# Altium PCB PCB_1313.PcbDoc (part 1 of 2) (continued)
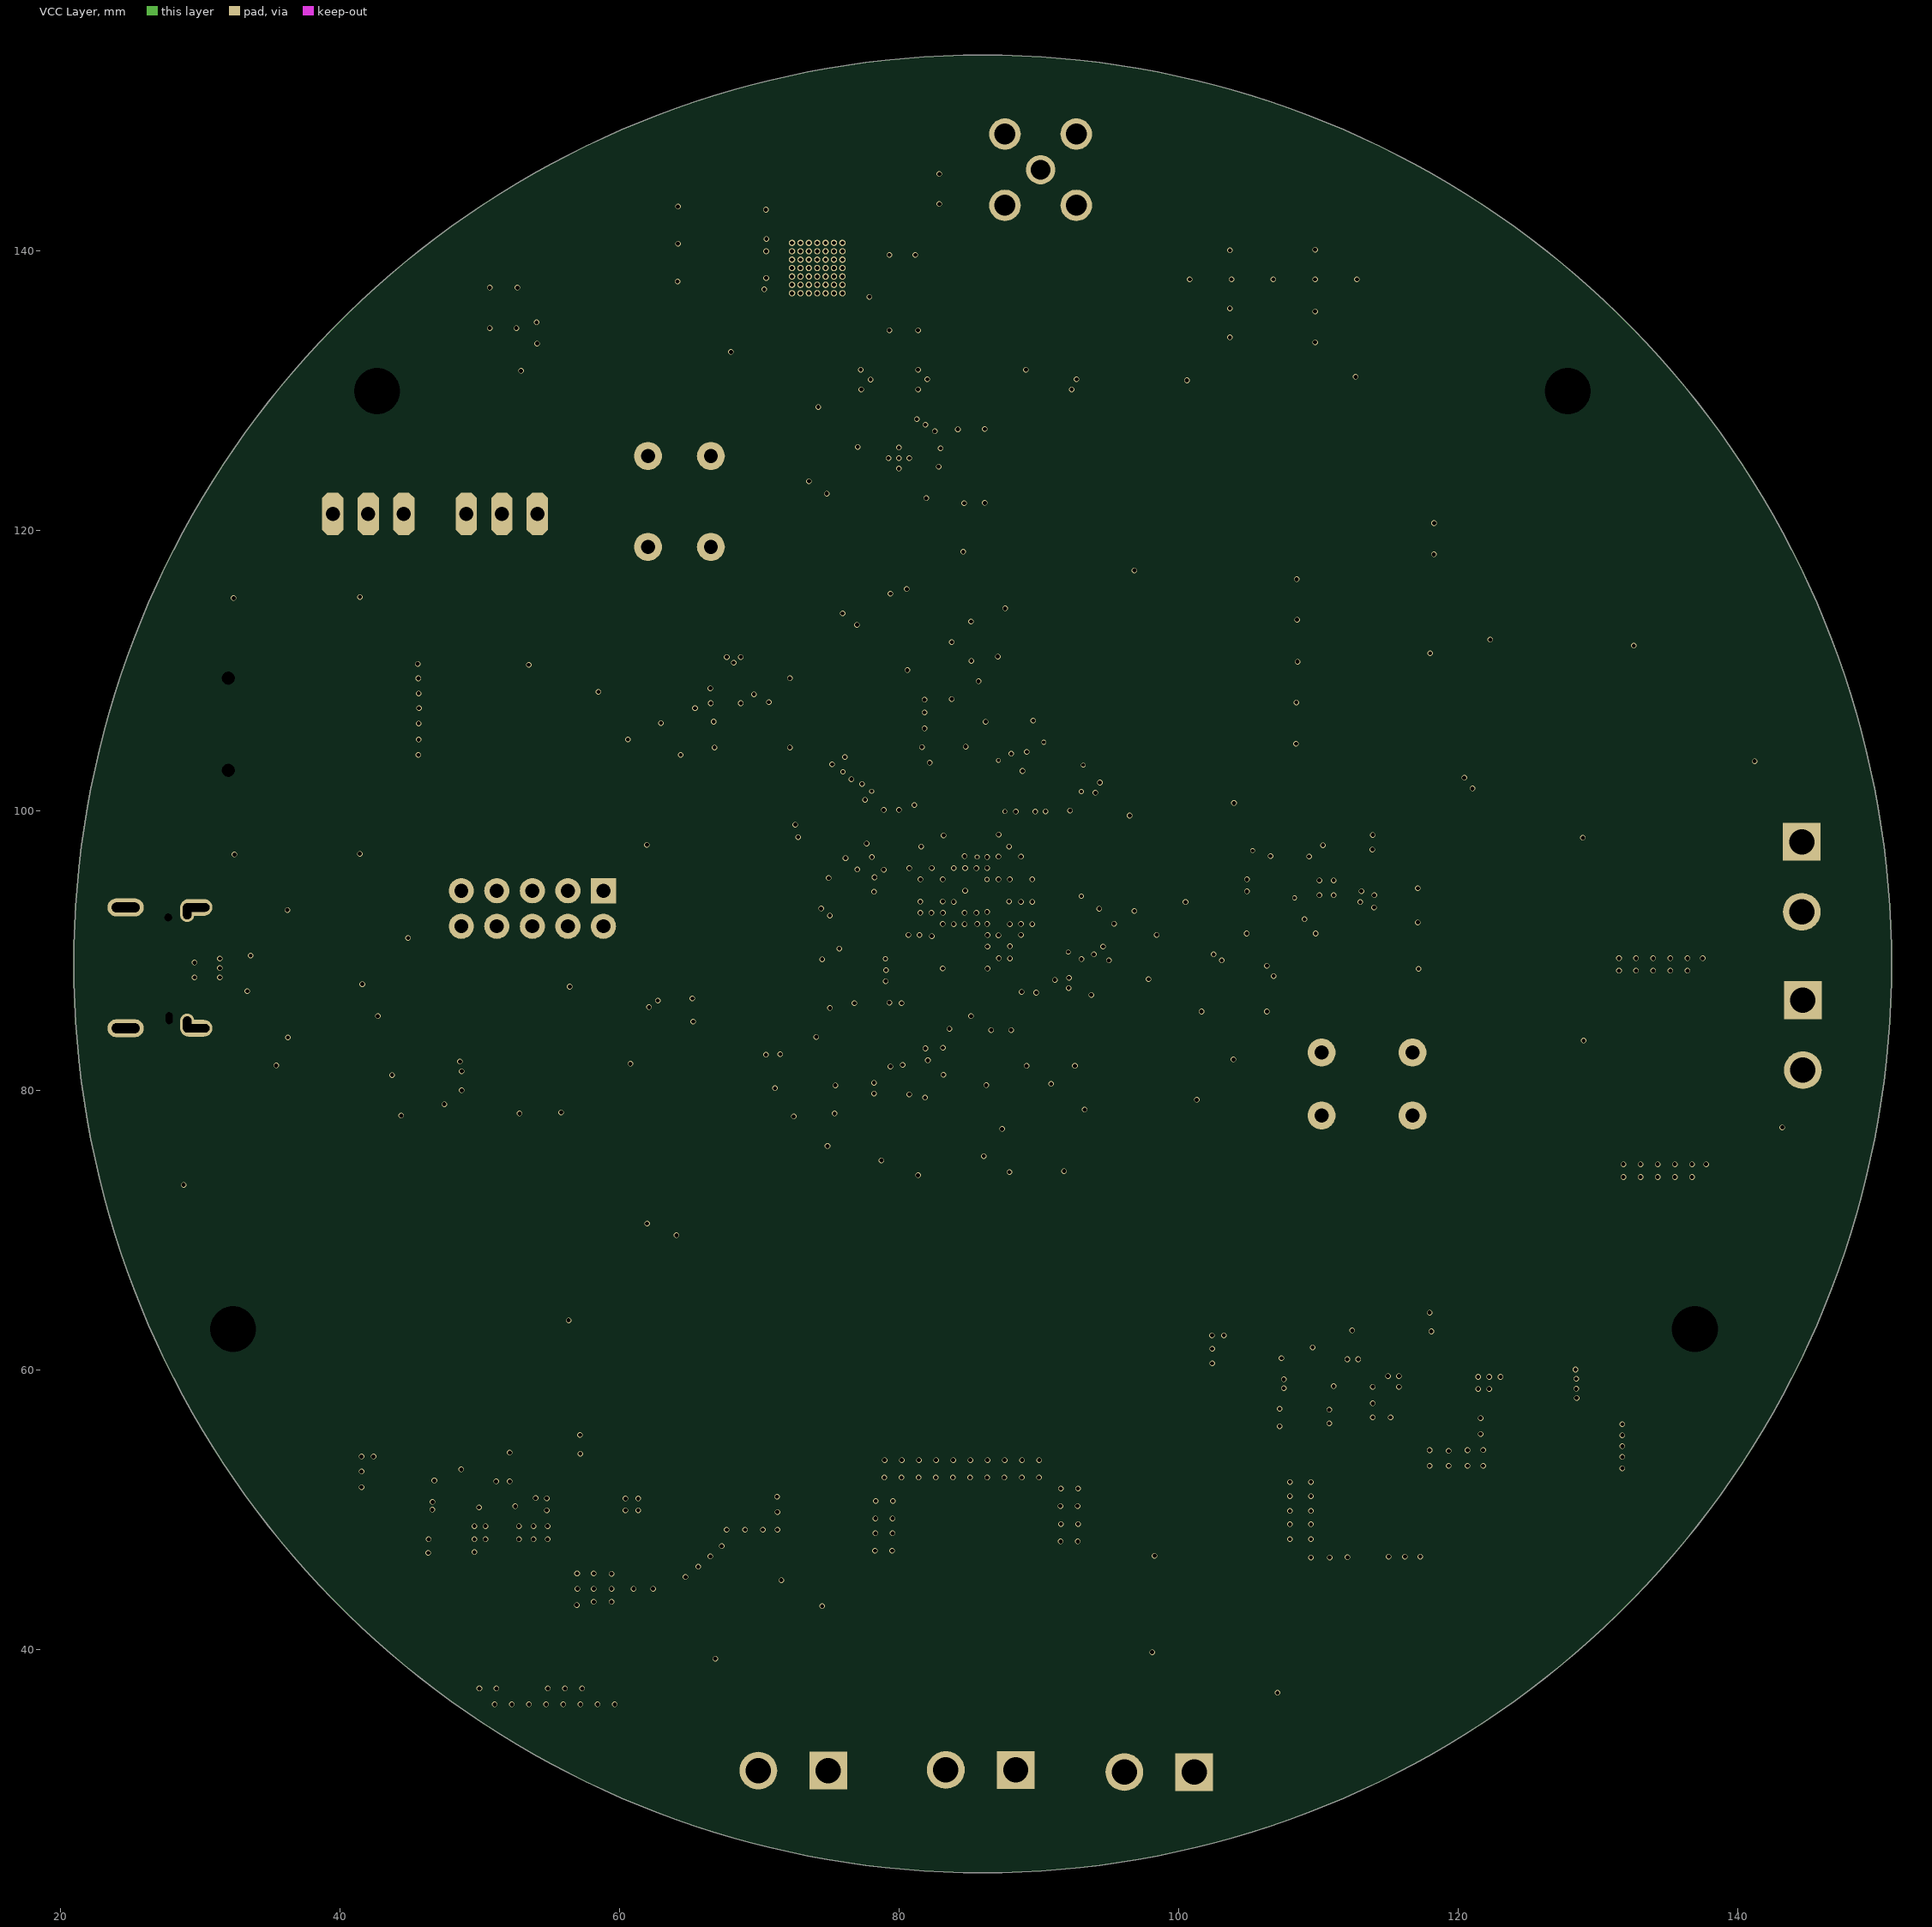
[diagram p3: VCC Layer]
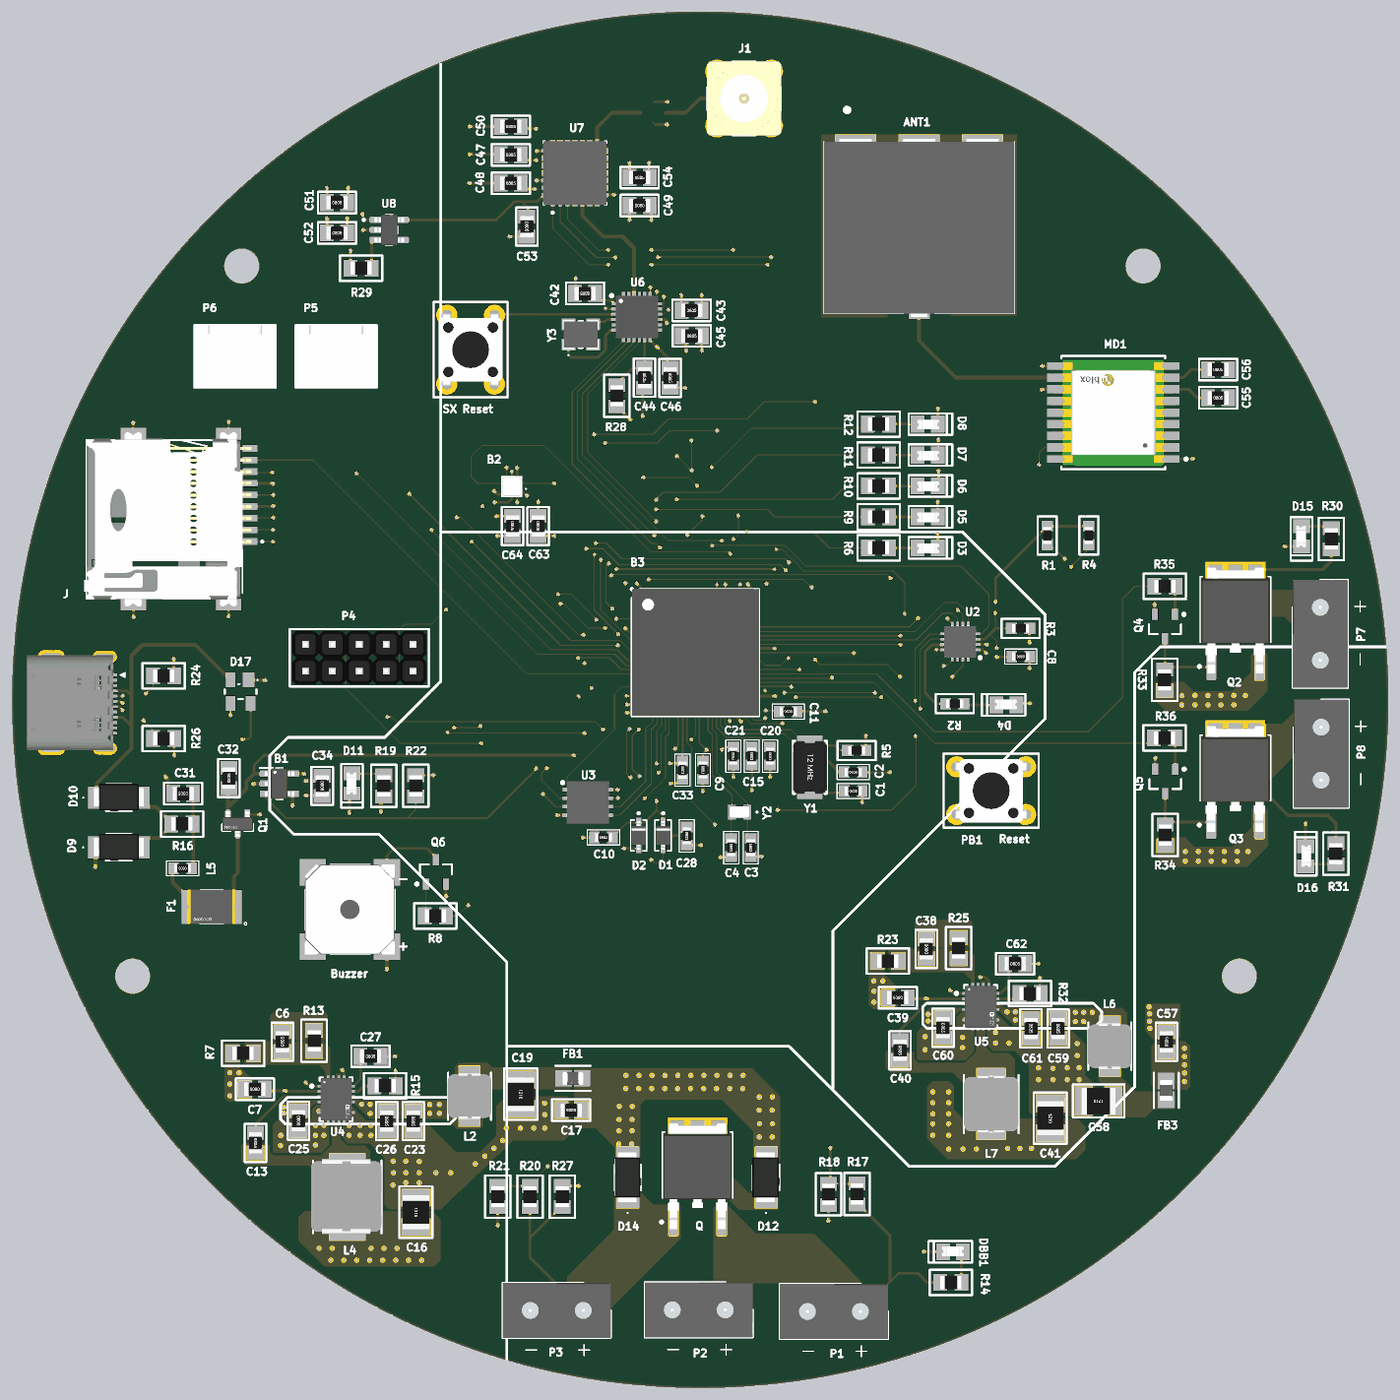
[diagram p5: 3D render of the assembled board from above, using the file's embedded part models]
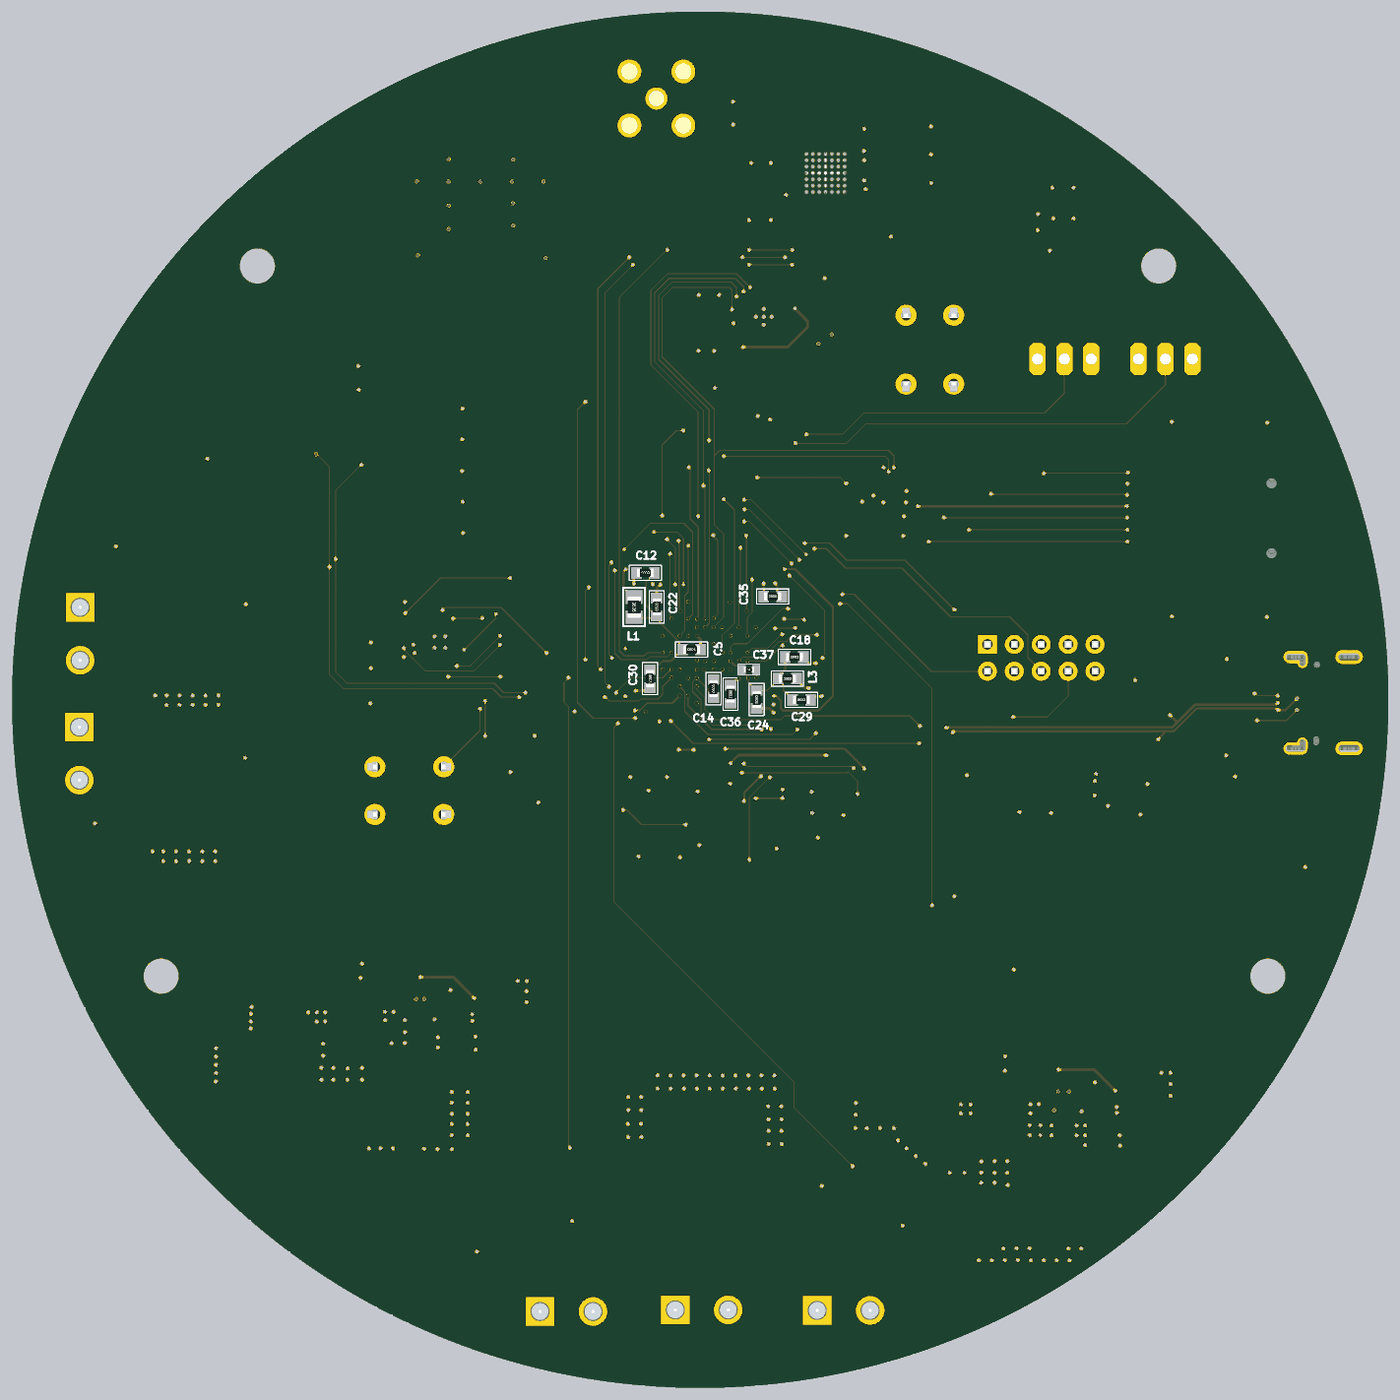
[diagram p6: 3D render of the assembled board from below, using the file's embedded part models]

## Layer stack, top to bottom
Top Solder: solder mask 0.0102, Solder Resist, Dk 3.5
Top Layer: signal copper 0.035
Dielectric 2: prepreg 0.2104, PP-006, Dk 4.1
Ground Layer: signal copper 0.0152
Core: core 1.065, Core, Dk 4.1
VCC Layer: signal copper 0.0152
Dielectric 5: prepreg 0.2104, PP-006, Dk 4.1
Bottom Layer: signal copper 0.035
Bottom Solder: solder mask 0.0102, Solder Resist, Dk 3.5

## Board outline
85.979,24.027 cw(c85.979,89.027) 20.979,89.027 cw(c85.979,89.027) 85.979,154.027 cw(c85.979,89.027) 150.979,89.027 cw(c85.979,89.027)

## Design rules (kind name [scope] priority, off if disabled: settings)
Clearance [All] p1 off: gap=0.1 ignorepadtopadclearanceinfootprint=TRUE except(0: Arc-Hole Track-Hole SMDPad-Hole THPad-Hole Via-Hole Fill-Hole Poly-Hole Region-Hole Text-Hole; 0.127: SMDPad-SMDPad; 0.18: Arc-SMDPad Track-SMDPad; 0.2: Arc-THPad Arc-Text Track-THPad Track-Text SMDPad-Via SMDPad-Text THPad-THPad THPad-Via THPad-Text Via-Via Via-Text Fill-Text Poly-Text Region-Text Text-Text; 0.254: Arc-Via Track-Via; 0.5: SMDPad-THPad)
DiffPairsRouting [All] p1: maxlimit=0.127 minlimit=0.127 mostfreqgap=0.127 toplayer_minwidth=0.222 toplayer_maxwidth=0.222 toplayer_prefwidth=0.222 midlayer1_minwidth=0.15 midlayer1_maxwidth=0.15 midlayer1_prefwidth=0.15 midlayer2_minwidth=0.15 midlayer2_maxwidth=0.15 midlayer2_prefwidth=0.15 bottomlayer_minwidth=0.222 bottomlayer_maxwidth=0.222 bottomlayer_prefwidth=0.222 impedanceprofiledriven=TRUE impedanceprofileid={A4B78866-B0F9-472C-93FB-F8E324BEF4EB} impedanceprofilevalue=90.000000 maxuncoupledlength=12.7
PolygonConnect [All] p1: connectstyle=Direct reliefconductorwidth=0.254 reliefentries=4 polygonreliefangle="90 Angle" airgapwidth=0.254
RoutingVias [All] p1: holewidth=0.3 width=0.4 viastyle="Through Hole" minholewidth=0 minwidth=0 maxholewidth=0.3 maxwidth=0.4
SolderMaskExpansion [All] p1: expansion=0.05 istentingtop=FALSE
Width [All] p1: maxlimit=0.65 minlimit=0.1 preferedwidth=0.254
29 further rules are at their usual default settings.

## Classes and differential pairs
component class RF: 32 C42 C43 C44 C45 C46 C47 C48 C49 C50 C51 C52 C53 C54 FL1 J1 PB2 R28 R29 U6 U7 U8 Y3
component class Recovery: D15 D16 P P7 P8 Q2 Q3 Q4 Q5 R30 R31 R33 R34 R35 R36
component class PMU: 3 B1 C6 C7 C13 C16 C17 C19 C23 C25 C26 C27 C31 C32 C33 C34 C35 C36 C37 C38 C39 C40 C41 C57 C58 C59 C60 C61 C62 CN1 D9 D10 D11 D12 D14 D17 DBB1 F1 FB1 FB3 L2 L4 L5 L6 L7 P1 P2 P3 Q Q1 R7 R13 R14 R15 R16 R17 R18 R19 R20 R21 R22 R23 R24 R25 R26 R27 R32 U4 U5
component class Modulos: ANT1 B2 C55 C56 C63 C64 J J2 MD1 P P4 P5 P6
component class CPU: B3 Buzzer C1 C2 C3 C4 C5 C8 C9 C10 C11 C12 C14 C15 C18 C20 C21 C22 C24 C28 C29 C30 D1 D2 D3 D4 D5 D6 D7 D8 L1 L3 PB1 Q6 R1 R2 R3 R4 R5 R6 R8 R9 R10 R11 R12 U2 U3 Y1 Y2

## Components (designator, comment, footprint, x,y, rotation, side; value= is the part's Value field where it differs from the comment)
ANT1 "DSGP.1575.18.2.A.02" DSGP1575182A02 106.655,134.493 r0 top
B1 "TLV75733PDBVR" SOT95P280X145-5N 46.228,81.102 r0 top
B2 "BMP390" BMP390 68.174,109.195 r270 top
B3 "MIMXRT1062DVJ6B" BGA196C80P14X14_1200X1200X152 85.522,93.478 r0 top
Buzzer "Alarm" CMT-8504-100-SMT-TR-Footprint-1 52.883,69.215 r180 top (schematic designator A)
C1 "Cap ceramic" MY_0603 100.432,80.402 r0 top value=12pF
C2 "Cap ceramic" MY_0603 100.432,82.192 r0 top value=12pF
C3 "Cap ceramic" MY_0603 90.742,75.057 r270 top value=20pF
C4 "Cap ceramic" MY_0603 88.9,75.057 r270 top value=20pF
C5 "Cap ceramic" MY_0603 86.804,93.777 r180 bottom value=10nF
C6 "Cap ceramic" MY_0805 46.507,56.728 r90 top value=2.2uF
C7 "Cap ceramic" MY_0805 43.906,52.248 r180 top value=1uF
C8 "Cap ceramic" MY_0603 116.256,93.104 r0 top value=0.22uF
C9 "Cap ceramic" MY_0603 86.233,82.398 r270 top value=0,22uF
C10 "Cap ceramic" MY_0603 76.835,76.022 r0 top value=0.22uF
C11 "Cap ceramic" MY_0603 94.297,87.909 r0 top value=0.22uF
C12 "Cap ceramic" MY_0603 91.161,101.016 r0 bottom value=0.22uF
C13 "Cap ceramic" MY_0805 43.967,47.168 r270 top value=100nF
C14 "Cap ceramic" MY_0603 84.722,90.075 r90 bottom value=0.22uF
C15 "Cap ceramic" MY_0603 90.84,83.709 r270 top value=0.22uF
C16 "Cap ceramic" MY_1210 59.131,40.612 r270 top value=47uF
C17 "Cap ceramic" MY_0805 73.787,50.267 r180 top value=4.7uF
C18 "Cap ceramic" MY_0603 77.079,93.064 r180 bottom value=0.22uF
C19 "Cap ceramic" MY_1210 69.037,51.762 r270 top value=10uF
C20 "Cap ceramic" MY_0603 92.572,83.709 r270 top value=4.7uF
C21 "Cap ceramic" MY_0603 89.109,83.709 r270 top value=4.7uF
C22 "Cap ceramic" MY_0603 90.089,97.79 r90 bottom value=4.7uF
C23 "Cap ceramic" MY_0805 58.877,49.225 r270 top value=4.7uF
C24 "Cap ceramic" MY_0603 80.648,89.056 r270 bottom value=4.7uF
C25 "Cap ceramic" MY_0805 48.031,49.266 r270 top value=1uF
C26 "Cap ceramic" MY_0805 56.363,49.225 r270 top value=1uF
C27 "Cap ceramic" MY_0805 54.839,55.347 r0 top value=10nF
C28 "Cap ceramic" MY_0603 84.709,76.163 r270 top value=10uF
C29 "Cap ceramic" MY_0603 76.417,89.016 r180 bottom value=10uF
C30 "Cap ceramic" MY_0603 90.729,91.021 r270 bottom value=10uF
C31 "Cap ceramic" MY_0805 37.133,80.162 r180 top value=0.22uF
C32 "Cap ceramic" MY_0805 41.453,81.62 r90 top value=0.22uF
C33 "Cap ceramic" MY_0603 84.3,82.378 r270 top value=0.22uF
C34 "Cap ceramic" MY_0805 50.267,80.889 r270 top value=2.2uF
C35 "Cap ceramic" MY_0603 79.138,98.781 r0 bottom value=220nF
C36 "Cap ceramic" MY_0603 83.119,89.555 r270 bottom value=4.7uF
C37 "Cap ceramic" MY_0402 81.378,91.871 r180 bottom value=10nF
C38 "Cap ceramic" MY_0805 107.34,65.493 r90 top value=2.2uF
C39 "Cap ceramic" MY_0805 104.648,60.883 r180 top value=1uF
C40 "Cap ceramic" MY_0805 104.851,55.917 r270 top value=100nF
C41 "Cap ceramic" MY_1210 119.05,49.491 r270 top value=47uF
C42 "Cap ceramic" MY_0805 75.098,127.406 r180 top value=10nF
C43 "Cap ceramic" MY_0805 85.166,125.806 r0 top value=100nF
C44 "Cap ceramic" MY_0805 80.715,119.452 r270 top value=100nF
C45 "Cap ceramic" MY_0805 85.176,123.393 r0 top value=4.7uF
C46 "Cap ceramic" MY_0805 83.137,119.428 r270 top value=470nF
C47 "Cap ceramic" MY_0805 68.087,140.5 r0 top value=10pF
C48 "Cap ceramic" MY_0805 68.087,137.82 r0 top value=10pF
C49 "Cap ceramic" MY_0805 80.249,135.712 r180 top value=10pF
C50 "Cap ceramic" MY_0805 68.087,143.18 r0 top value=10uF
C51 "Cap ceramic" MY_0805 51.679,135.992 r0 top value=100nF
C52 "Cap ceramic" MY_0805 51.679,133.121 r0 top value=1uF
C53 "Cap ceramic" MY_0805 69.596,133.721 r270 top value=1uF
C54 "Cap ceramic" MY_0805 80.249,138.354 r0 top value=100nF
C55 "Cap ceramic" MY_0805 134.899,117.551 r0 top value=100nF
C56 "Cap ceramic" MY_0805 134.899,120.218 r0 top value=4.7uF
C57 "Cap ceramic" MY_0805 130.023,56.714 r90 top value=4.7uF
C58 "Cap ceramic" MY_1210 123.599,51.116 r180 top value=10uF
C59 "Cap ceramic" MY_0805 119.786,57.974 r270 top value=4.7uF
C60 "Cap ceramic" MY_0805 108.911,58.041 r270 top value=1uF
C61 "Cap ceramic" MY_0805 117.221,57.985 r270 top value=1uF
C62 "Cap ceramic" MY_0805 115.722,64.096 r0 top value=10nF
C63 "Cap ceramic" MY_0805 70.664,105.438 r270 top value=100nF
C64 "Cap ceramic" MY_0805 68.25,105.438 r270 top value=100nF
CN1 "DX07S024JJ3R1300" JAE-DX07S024JJ3_V 27.737,88.748 r270 top
D1 "BAT54HGW" BAT54HGW-Footprint-1 82.347,76.784 r270 top
D2 "BAT54HGW" BAT54HGW-Footprint-1 80.035,76.784 r270 top
D3 "Yellow" MY_LED_0805 107.478,103.302 r180 top
D4 "Red" MY_LED_0805 114.887,88.621 r0 top
D5 "Yellow" MY_LED_0805 107.478,106.223 r180 top
D6 "Yellow" MY_LED_0805 107.478,109.144 r180 top
D7 "Yellow" MY_LED_0805 107.478,112.065 r180 top
D8 "Yellow" MY_LED_0805 107.478,114.986 r180 top
D9 "PMEG3050EP-QX" PMEG3050EP-QX-Footprint-1 31.054,75.082 r0 top
D10 "PMEG3050EP-QX" PMEG3050EP-QX-Footprint-1 31.054,79.781 r0 top
D11 "Red" MY_LED_0805 53.008,81.143 r90 top
D12 "PMEG3050EP-QX" PMEG3050EP-QX-Footprint-1 92.202,43.907 r90 top
D14 "PMEG3050EP-QX" PMEG3050EP-QX-Footprint-1 79.121,43.907 r90 top
D15 "Red" MY_LED_0805 142.697,104.47 r90 top
D16 "Red" MY_LED_0805 143.256,74.235 r270 top
D17 "SP0503BAHTG" LFUS-SOT143-4_V 42.56,89.797 r270 top
DBB1 "Red" MY_LED_0805 109.855,36.957 r0 top
F1 "MF-MSMF050-2" FUSM4632X85 39.827,69.469 r180 top
FB1 "MPZ2012S300AT000" FP-MPZ2012-IPC_A 73.953,53.264 r180 top
FB3 "MPZ2012S300AT000" FP-MPZ2012-IPC_A 129.997,52.132 r270 top
FL1 "748323024" WE-BPF_0805 1351.528,1414.475 r0 top
J "MEM2075-00-140-01-A" MEM2075-00-140-01-A-Footprint-1 35.712,106.172 r270 top
J1 "CONREVSMA001-G" LINX_CONREVSMA001-G 90.119,145.821 r0 top
L1 "Inductor" MY_0805 92.227,97.79 r270 bottom value=4.7uH
L2 "Inductor" IHLP1616 64.186,51.582 r270 top value=220nH
L3 "Ferrite 120" MY_0603 77.749,91.021 r180 bottom
L4 "Inductor" IHLP2525 52.654,42.062 r270 top value=2.2uH
L5 "Ferrite 120" MY_0603 37.084,73.101 r180 top
L6 "Inductor" IHLP1616 124.663,56.304 r90 top value=220nH
L7 "Inductor" IHLP2020 113.462,50.837 r270 top value=1.5uH
MD1 "MAX-M10S-00B" FP-MAX-M10S-00B-MFG 124.993,116.154 r180 top
P1 "XT30" XT30UPB-M 98.577,31.344 r180 top
P2 "XT30" XT30UPB-M 85.807,31.499 r180 top
P3 "XT30" XT30UPB-M 72.4,31.448 r180 top
P4 "Header 2x5" "2x5x2.54 Pin Header TH V" 53.772,92.989 r180 top
P5 "Header 3" MY_6410-03 51.587,121.209 r0 top
P6 "Header 3" MY_6410-03 42.037,121.209 r0 top
P7 "XT30" XT30UPB-M 144.45,95.225 r270 top
P8 "XT30" XT30UPB-M 144.523,83.906 r270 top
PB1 "Botón RESET" "Tack Switch 6x6 1mm TH" 113.462,80.442 r0 top
PB2 "SX Reset" "Tack Switch 6x6 1mm TH" 64.287,122.098 r270 top
Q "TJ40S04M3L,LXHQ" TJ40S04M3L,LXHQ-Footprint-1 85.725,43.993 r0 top
Q1 "DMG2305UX-7" FP-SOT23-IPC_C 42.283,77.292 r270 top
Q2 "TJ40S04M3L,LXHQ" TJ40S04M3L,LXHQ-Footprint-1 136.531,96.466 r0 top
Q3 "TJ40S04M3L,LXHQ" TJ40S04M3L,LXHQ-Footprint-1 136.525,81.492 r0 top
Q4 "BC817K-40" INF-SOT23_N 129.87,95.936 r270 top
Q5 "BC817K-40" INF-SOT23_N 129.896,81.312 r270 top
Q6 "BC817K-40" INF-SOT23_N 61.011,72.771 r90 top
R1 "10k" R0603-0.45 118.745,104.548 r90 top
R2 "470" R0603-0.45 110.017,88.659 r180 top
R3 "100k" R0603-0.45 116.24,95.771 r0 top
R4 "10k" R0603-0.45 122.682,104.548 r90 top
R5 "2.2M" R0603-0.45 100.757,84.221 r0 top
R6 "220" R0805-0.45 102.829,103.378 r0 top
R7 "243k" R0805-0.45 42.79,55.626 r0 top
R8 "180" R0805-0.45 60.96,68.605 r180 top
R9 "220" R0805-0.45 102.829,106.299 r0 top
R10 "220" R0805-0.45 102.829,109.22 r0 top
R11 "220" R0805-0.45 102.829,112.141 r0 top
R12 "220" R0805-0.45 102.829,115.062 r0 top
R13 "1M" R0805-0.45 49.505,56.82 r270 top
R14 "1000" R0805-0.45 109.652,33.985 r0 top
R15 "18.2k" R0805-0.45 56.21,52.553 r180 top
R16 "0" R0805-0.45 37.033,77.292 r180 top
R17 "43k" R0805-0.45 100.787,42.342 r270 top
R18 "21k" R0805-0.45 98.095,42.316 r90 top
R19 "100" R0805-0.45 56.085,80.889 r270 top
R20 "43k" R0805-0.45 69.901,42.088 r270 top
R21 "21k" R0805-0.45 66.853,42.088 r90 top
R22 "100k" R0805-0.45 59.106,80.899 r270 top
R23 "412k" R0805-0.45 103.699,64.35 r0 top
R24 "5.1K" R0805-0.45 35.293,91.283 r0 top
R25 "1M" R0805-0.45 110.388,65.569 r270 top
R26 "5.1K" R0805-0.45 35.293,85.365 r180 top
R27 "100k" R0805-0.45 72.949,42.088 r90 top
R28 "0" R0805-0.45 78.099,117.74 r90 top
R29 "10k" R0805-0.45 53.94,129.794 r180 top
R30 "470" R0805-0.45 145.593,104.216 r90 top
R31 "470" R0805-0.45 146.025,74.489 r270 top
R32 "18.2k" R0805-0.45 117.129,61.276 r180 top
R33 "10k" R0805-0.45 129.845,90.907 r270 top
R34 "10k" R0805-0.45 129.896,76.251 r270 top
R35 "10k" R0805-0.45 129.861,99.746 r0 top
R36 "10k" R0805-0.45 129.835,85.42 r0 top
U2 "MKL02Z32VFG4" QFN50P300X300X65-17N 110.541,94.501 r180 top
U3 "W25Q64JVXGIM_TR" SON80P400X400X50-9N 75.355,79.331 r0 top
U4 "LT8614HUDC#TRPBF" FP-UDC-20_18_-AA-05-08-19-MFG 51.587,51.283 r270 top
U5 "LT8614HUDC#TRPBF" FP-UDC-20_18_-AA-05-08-19-MFG 112.473,60.034 r270 top
U6 "SX1280IMLTRT" SX1280IMLTRT-Footprint-1 79.985,125.197 r0 top
U7 "SKY65383-11" SKY65383-11-Footprint-1 74.08,138.852 r90 top
U8 "TPS7A20285PDBVR" TPS7A20285PDBVR-Footprint-1 56.602,133.411 r0 top
Y1 "XTAL 24MHz" 2-SMD 96.33,82.644 r270 top
Y2 "XTAL 32.768kHz" MY2012 89.7,78.422 r180 top
Y3 "ECS-520-12-33B-7HN-TR" ECS-520-12-33B-7HN-TR-Footprint-1 74.694,123.53 r0 top

## Footprints (in the part's own frame and the unit in brackets; to place one, negate y for a bottom-side part, rotate by r counter-clockwise, add the part's x,y. Pads: shape width x height; smd on the part's side, far side on the other; paste and mask are expansions set on the pad)
2-SMD [mm] "2-SMD"
  rect 1.9x2.4 smd: 1(-2.05,0) 2(2.05,0)
  silkscreen extent -2.5,-1.6 2.5,1.6, body extent -2.51,-1.6 2.51,1.6, height 1.05
"2x5x2.54 Pin Header TH V" [mm] "2x5x2.54 Pin Header TH V"
  rect 1.8x1.8 hole 1: 1(-5.08,-1.27)
  round 1.8 hole 1: 2(-5.08,1.27) 3(-2.54,-1.27) 4(-2.54,1.27) 5(0,-1.27) 6(0,1.27) 7(2.54,-1.27) 8(2.54,1.27) 9(5.08,-1.27) 10(5.08,1.27)
  silkscreen extent -6.58,-2.7 6.58,2.7, body extent -6.35,-2.54 6.35,2.54, height 8.55
BAT54HGW-Footprint-1 [mm]
  rect 0.9x0.5 smd mask+0.05: A(1.778,0.127) C(-0.635,0.127)
  silkscreen extent -1.62,-0.64 2.04,0.89, body extent -0.77,-0.52 1.91,0.78, height 1.15
BGA196C80P14X14_1200X1200X152 [mm]
  round 0.394 smd: A1(-5.2,5.2) A2(-4.4,5.2) A3(-3.6,5.2) A4(-2.8,5.2) A5(-2,5.2) A6(-1.2,5.2) A7(-0.4,5.2) A8(0.4,5.2) A9(1.2,5.2) A10(2,5.2) A11(2.8,5.2) A12(3.6,5.2) A13(4.4,5.2) A14(5.2,5.2) B1(-5.2,4.4) B2(-4.4,4.4) B3(-3.6,4.4) B4(-2.8,4.4) B5(-2,4.4) B6(-1.2,4.4) B7(-0.4,4.4) B8(0.4,4.4) B9(1.2,4.4) B10(2,4.4) B11(2.8,4.4) B12(3.6,4.4) B13(4.4,4.4) B14(5.2,4.4) C1(-5.2,3.6) C2(-4.4,3.6) C3(-3.6,3.6) C4(-2.8,3.6) C5(-2,3.6) C6(-1.2,3.6) C7(-0.4,3.6) C8(0.4,3.6) C9(1.2,3.6) C10(2,3.6) C11(2.8,3.6) C12(3.6,3.6) C13(4.4,3.6) C14(5.2,3.6) D1(-5.2,2.8) D2(-4.4,2.8) D3(-3.6,2.8) D4(-2.8,2.8) D5(-2,2.8) D6(-1.2,2.8) D7(-0.4,2.8) D8(0.4,2.8) D9(1.2,2.8) D10(2,2.8) D11(2.8,2.8) D12(3.6,2.8) D13(4.4,2.8) D14(5.2,2.8) E1(-5.2,2) E2(-4.4,2) E3(-3.6,2) E4(-2.8,2) E5(-2,2) E6(-1.2,2) E7(-0.4,2) E8(0.4,2) E9(1.2,2) E10(2,2) E11(2.8,2) E12(3.6,2) E13(4.4,2) E14(5.2,2) F1(-5.2,1.2) F2(-4.4,1.2) F3(-3.6,1.2) F4(-2.8,1.2) F5(-2,1.2) F6(-1.2,1.2) F7(-0.4,1.2) F8(0.4,1.2) F9(1.2,1.2) F10(2,1.2) F11(2.8,1.2) F12(3.6,1.2) F13(4.4,1.2) F14(5.2,1.2) G1(-5.2,0.4) G2(-4.4,0.4) G3(-3.6,0.4) G4(-2.8,0.4) G5(-2,0.4) G6(-1.2,0.4) G7(-0.4,0.4) G8(0.4,0.4) G9(1.2,0.4) G10(2,0.4) G11(2.8,0.4) G12(3.6,0.4) G13(4.4,0.4) G14(5.2,0.4) H1(-5.2,-0.4) H2(-4.4,-0.4) H3(-3.6,-0.4) H4(-2.8,-0.4) H5(-2,-0.4) H6(-1.2,-0.4) H7(-0.4,-0.4) H8(0.4,-0.4) H9(1.2,-0.4) H10(2,-0.4) H11(2.8,-0.4) H12(3.6,-0.4) H13(4.4,-0.4) H14(5.2,-0.4) J1(-5.2,-1.2) J2(-4.4,-1.2) J3(-3.6,-1.2) J4(-2.8,-1.2) J5(-2,-1.2) J6(-1.2,-1.2) J7(-0.4,-1.2) J8(0.4,-1.2) J9(1.2,-1.2) J10(2,-1.2) J11(2.8,-1.2) J12(3.6,-1.2) J13(4.4,-1.2) J14(5.2,-1.2) K1(-5.2,-2) K2(-4.4,-2) K3(-3.6,-2) K4(-2.8,-2) K5(-2,-2) K6(-1.2,-2) K7(-0.4,-2) K8(0.4,-2) K9(1.2,-2) K10(2,-2) K11(2.8,-2) K12(3.6,-2) K13(4.4,-2) K14(5.2,-2) L1(-5.2,-2.8) L2(-4.4,-2.8) L3(-3.6,-2.8) L4(-2.8,-2.8) L5(-2,-2.8) L6(-1.2,-2.8) L7(-0.4,-2.8) L8(0.4,-2.8) L9(1.2,-2.8) L10(2,-2.8) L11(2.8,-2.8) L12(3.6,-2.8) L13(4.4,-2.8) L14(5.2,-2.8) M1(-5.2,-3.6) M2(-4.4,-3.6) M3(-3.6,-3.6) M4(-2.8,-3.6) M5(-2,-3.6) M6(-1.2,-3.6) M7(-0.4,-3.6) M8(0.4,-3.6) M9(1.2,-3.6) M10(2,-3.6) M11(2.8,-3.6) M12(3.6,-3.6) M13(4.4,-3.6) M14(5.2,-3.6) N1(-5.2,-4.4) N2(-4.4,-4.4) N3(-3.6,-4.4) N4(-2.8,-4.4) N5(-2,-4.4) N6(-1.2,-4.4) N7(-0.4,-4.4) N8(0.4,-4.4) N9(1.2,-4.4) N10(2,-4.4) N11(2.8,-4.4) N12(3.6,-4.4) N13(4.4,-4.4) N14(5.2,-4.4) P1(-5.2,-5.2) P2(-4.4,-5.2) P4(-2.8,-5.2) P5(-2,-5.2) P6(-1.2,-5.2) P7(-0.4,-5.2) P8(0.4,-5.2) P9(1.2,-5.2) P10(2,-5.2) P11(2.8,-5.2) P12(3.6,-5.2) P13(4.4,-5.2) P14(5.2,-5.2)
  round 0.394 smd mask+0.05: P3(-3.6,-5.2)
  silkscreen extent -6.1,-6 6,6.1, body extent -5.97,-5.97 6.03,6.03, height 1.52
BMP390 [mm]
  rect 0.25x0.275 smd: 1(0.25,0.763) 2(-0.25,0.763) 6(-0.25,-0.763) 7(0.25,-0.763)
  rect 0.275x0.25 smd: 3(-0.762,0.5) 4(-0.762,0) 5(-0.762,-0.5) 8(0.762,-0.5) 9(0.762,0) 10(0.762,0.5)
  silkscreen extent 0.2,1.3 0.3,1.4, body extent -0.98,-1 1.02,1, height 0.75
CMT-8504-100-SMT-TR-Footprint-1 [mm]
  rect 2.5x2.5 smd: 1(3.5,3.5) 2(3.5,-3.5) N(-3.5,-3.5) P(-3.5,3.5)
  silkscreen extent -4.25,-4.25 4.25,4.25, body extent -4.25,-4.28 4.28,4.25, height 4
DSGP1575182A02 [mm]
  rect 3.8x3.8 smd: 1(-6,6) 2(0,6) 3(6,6) 4(-6,0) 5(0,0) 6(6,0) 7(-6,-6) 9(6,-6)
  rect 2x2 smd: 8(0,-8.5)
  silkscreen extent -9,-9 9,10.45, body extent -9,-9.3 9,7.52, height 2.35
ECS-520-12-33B-7HN-TR-Footprint-1 [mm]
  rect 1.3x1.1 smd: 1(-1.15,-0.95) 2(1.15,-0.95) 3(1.15,0.95) 4(-1.15,0.95)
  silkscreen extent -1.2,-2 0.2,1.25, body extent -1.69,-1.39 1.69,1.39, height 0.9
FP-MAX-M10S-00B-MFG [mm]
  rect 1.8x0.7 smd paste-1000 mask+0: 1(-4.75,4.4) 9(-4.75,-4.4) 10(4.75,-4.4) 18(4.75,4.4)
  rect 1.8x0.8 smd paste-1000 mask+0: 2(-4.75,3.3) 3(-4.75,2.2) 4(-4.75,1.1) 5(-4.75,0) 6(-4.75,-1.1) 7(-4.75,-2.2) 8(-4.75,-3.3) 11(4.75,-3.3) 12(4.75,-2.2) 13(4.75,-1.1) 14(4.75,0) 15(4.75,1.1) 16(4.75,2.2) 17(4.75,3.3)
  silkscreen extent -7,-5.35 4.9,5.35, body extent -5.75,-5.45 5.75,5.45, height 0.25